# KiCad board Phoenix612 Complete v1.kicad_pcb (continued)
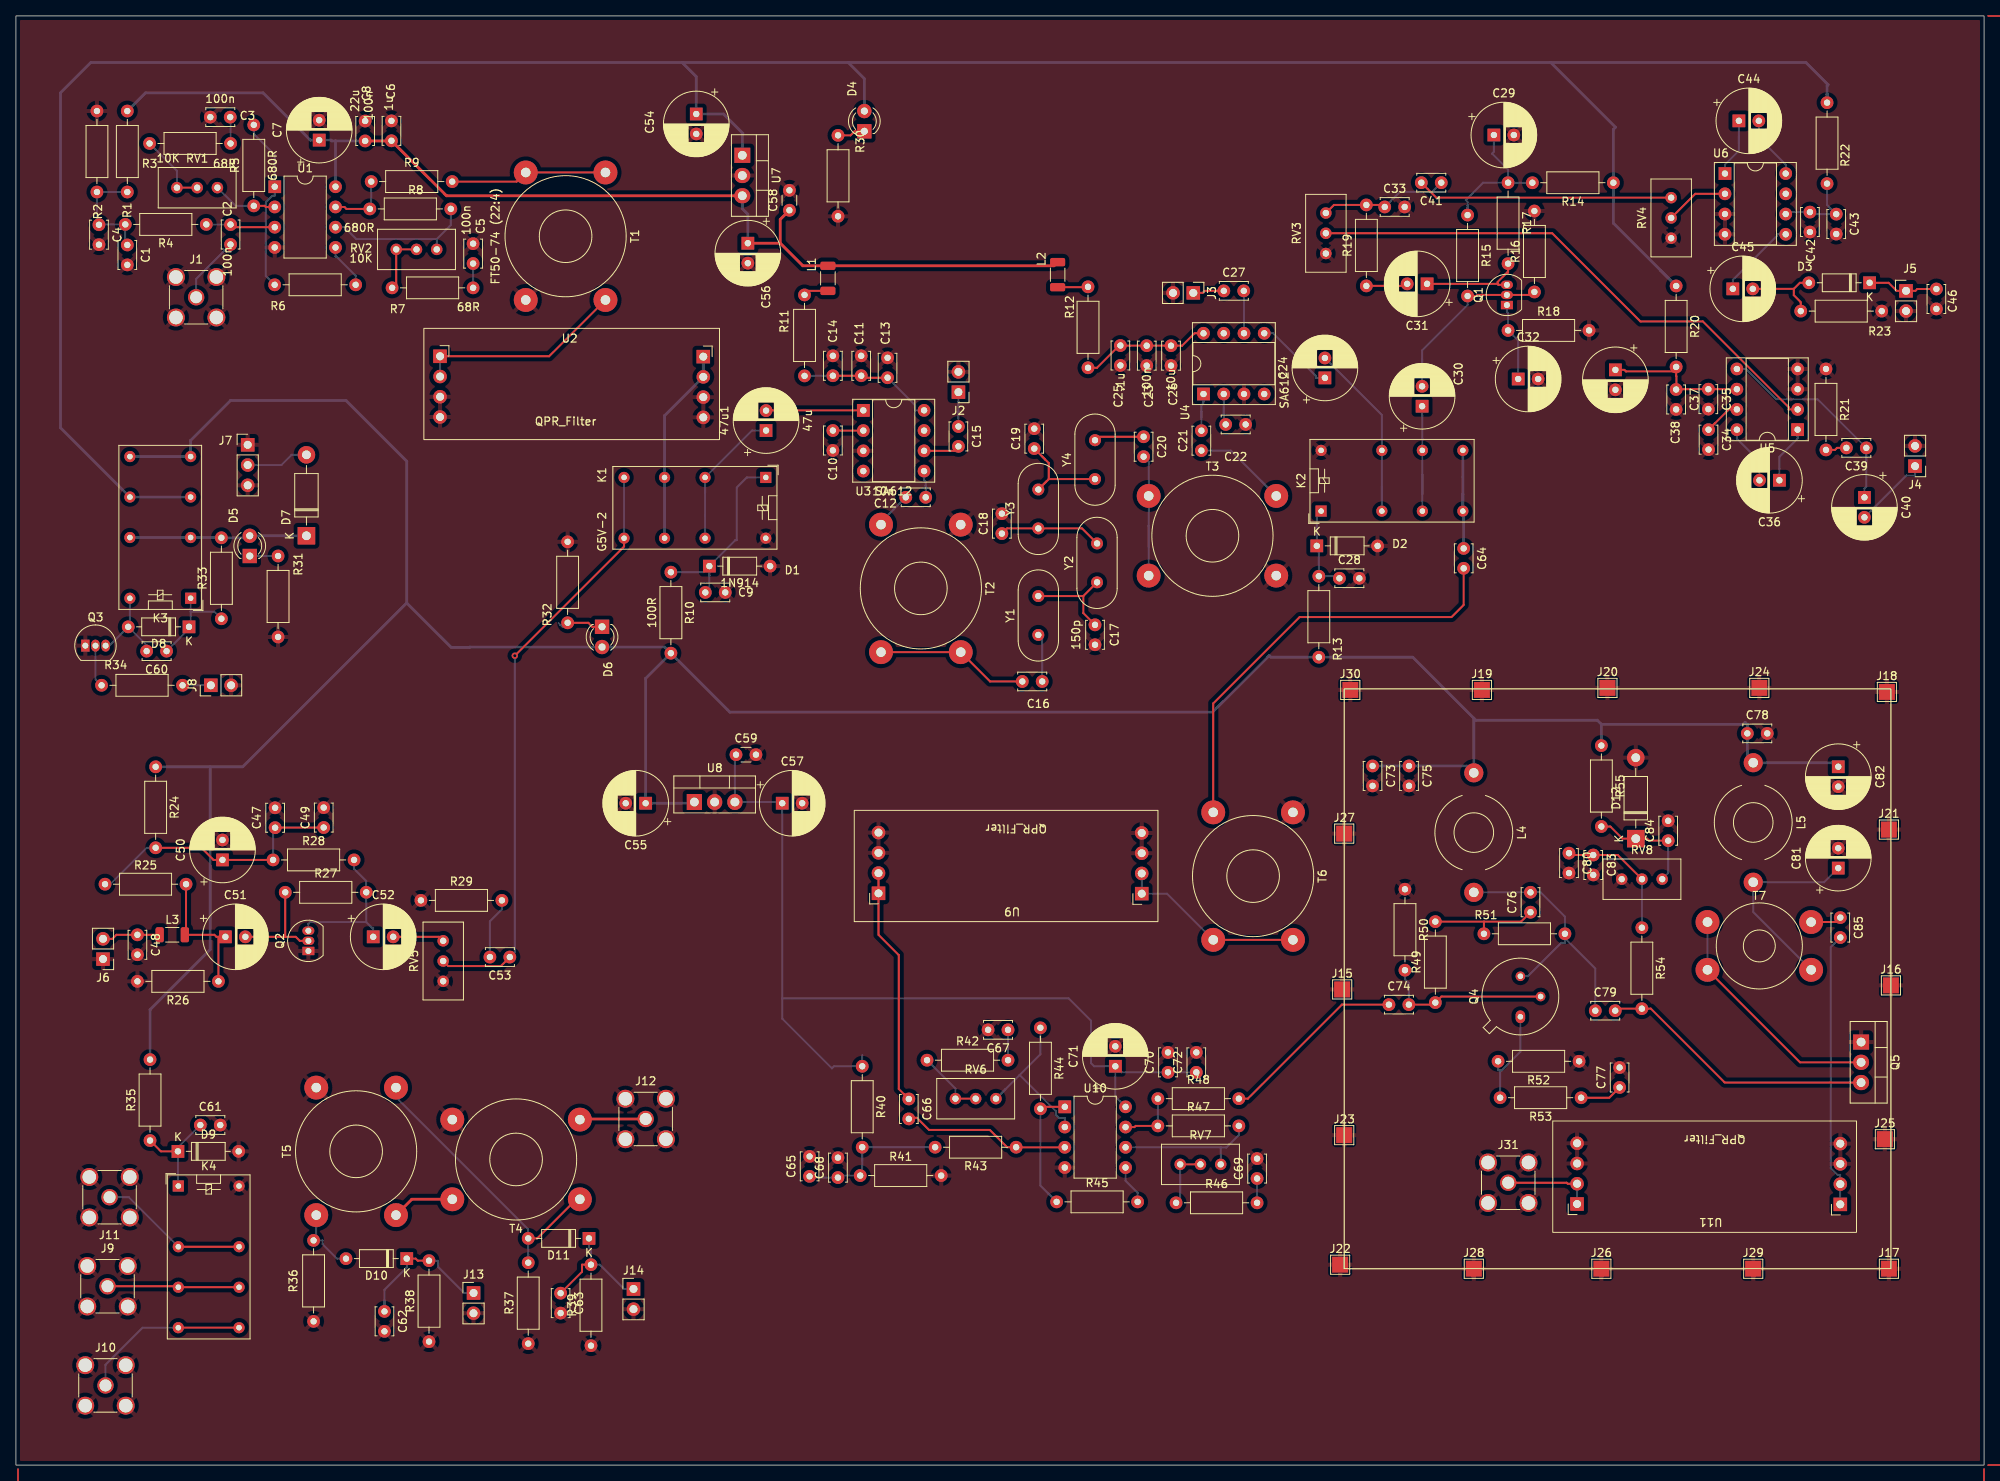
[diagram p0: board, top side]
## Footprints (pads in the part's own frame, mm; a bottom-side part is the same pattern mirrored in y, then rotated)
C_Disc_D3.0mm_W1.6mm_P2.50mm
  round 1.6 hole 0.8: 1(0,0) 2(2.5,0)
C_Disc_D3.4mm_W2.1mm_P2.50mm
  round 1.6 hole 0.8: 1(0,0) 2(2.5,0)
CP_Radial_D8.0mm_P2.50mm
  rect 1.6x1.6 hole 0.8: 1(0,0)
  round 1.6 hole 0.8: 2(2.5,0)
Crystal_HC49-4H_Vertical
  round 1.5 hole 0.8: 1(0,0) 2(4.88,0)
D_DO-35_SOD27_P7.62mm_Horizontal
  rect 1.6x1.6 hole 0.8: 1(0,0)
  oval 1.6x1.6 hole 0.8: 2(7.62,0)
D_DO-41_SOD81_P10.16mm_Horizontal
  rect 2.2x2.2 hole 1.1: 1(0,0)
  oval 2.2x2.2 hole 1.1: 2(10.16,0)
DIP-8_W7.62mm
  rect 1.6x1.6 hole 0.8: 1(0,0)
  oval 1.6x1.6 hole 0.8: 2(0,-2.54) 3(0,-5.08) 4(0,-7.62) 5(7.62,-7.62) 6(7.62,-5.08) 7(7.62,-2.54) 8(7.62,0)
DIP-8_W7.62mm_Socket
  rect 1.6x1.6 hole 0.8: 1(0,0)
  oval 1.6x1.6 hole 0.8: 2(0,-2.54) 3(0,-5.08) 4(0,-7.62) 5(7.62,-7.62) 6(7.62,-5.08) 7(7.62,-2.54) 8(7.62,0)
L_1206_3216Metric
  rrect 1.05x1.9 smd: 1(-1.575,0) 2(1.575,0)
L_Toroid_Horizontal_D9.5mm_P15.00mm_Diameter10-5mm_Amidon-T37
  round 2.4 hole 1.2: 1(0,0) 2(15,0)
LED_D3.0mm
  rect 1.8x1.8 hole 0.9: 1(0,0)
  round 1.8 hole 0.9: 2(2.54,0)
PinHeader_1x02_P2.54mm_Vertical
  rect 1.7x1.7 hole 1: 1(0,0)
  oval 1.7x1.7 hole 1: 2(0,-2.54)
PinHeader_1x03_P2.54mm_Vertical
  rect 1.7x1.7 hole 1: 1(0,0)
  oval 1.7x1.7 hole 1: 2(0,-2.54) 3(0,-5.08)
Potentiometer_Bourns_3296W_Vertical
  round 1.44 hole 0.8: 1(0,0) 2(-2.54,0) 3(-5.08,0)
QRPLabs_Filter_TH
  rect 1.7x1.7 hole 1: 1(-10.16,5.38) 8(22.86,5.334)
  oval 1.7x1.7 hole 1: 2(-10.16,2.84) 3(-10.16,0.3) 4(-10.16,-2.24) 5(22.86,-2.286) 6(22.86,0.254) 7(22.86,2.794)
R_Axial_DIN0207_L6.3mm_D2.5mm_P10.16mm_Horizontal
  round 1.6 hole 0.8: 1(0,0)
  oval 1.6x1.6 hole 0.8: 2(10.16,0)
Relay_DPDT_Omron_G5V-2
  rect 1.4x1.4 hole 0.7: 1(0,0)
  round 1.4 hole 0.7: 4(0,-7.62) 6(0,-12.7) 8(0,-17.78) 9(7.62,-17.78) 11(7.62,-12.7) 13(7.62,-7.62) 16(7.62,0)
SMA_Amphenol_901-144_Vertical
  round 2.05 hole 1.5: 1(0,0)
  round 2.25 hole 1.7: 2(-2.54,2.54) 2(-2.54,-2.54) 2(2.54,2.54) 2(2.54,-2.54)
TestPoint_Pad_2.0x2.0mm
  rect 2x2 smd: 1(0,0)
TO-39-3
  oval 1.6x1.2 hole 0.7: 1(0,0)
  oval 1.2x1.2 hole 0.7: 2(2.54,-2.54) 3(5.08,0)
TO-92_Inline
  rect 1.05x1.5 hole 0.75: 1(0,0)
  oval 1.05x1.5 hole 0.75: 2(1.27,0) 3(2.54,0)
TO-220-3_Vertical
  rect 1.905x2 hole 1.1: 1(0,0)
  oval 1.905x2 hole 1.1: 2(2.54,0) 3(5.08,0)
Transformer_Toroid_Horizontal_D10.5mm_Amidon-T37
  round 3 hole 1.2: 1(0,0) 2(13,0) 3(0,6) 4(13,6)
Transformer_Toroid_Horizontal_D14.0mm_Amidon-T50
  round 3 hole 1.2: 1(0,0) 2(16,0) 3(0,10) 4(16,10)

## Nets
12V: D5.2 D7.1 K3.4 K3.13 R33.2
GND: C1.2 C3.2 C4.2 C5.2 C6.2 C7.2 C8.2 C9.2 C10.2 C11.2 C13.2 C14.2 C17.2 C18.2 C19.2 C22.2 C23.2 C25.2 C26.2 C28.2 C29.2 C32.2 C33.2 C34.2 C35.2 C37.2 C38.2 C42.2 C43.2 C46.2 C47.2 C48.2 C49.2 C50.2 C54.2 C55.2 C56.2 C57.2 C58.2 C59.2 C61.2 C62.2 C63.2 C65.2 C67.2 C68.2 C69.2 C70.2 C71.2 C72.2 C73.2 C75.2 C77.2 C78.2 C80.2 C81.2 C82.2 C83.2 C84.2 D1.2 D2.2 D9.2 D12.2 J1.2 J2.2 J3.2 J4.2 J5.2 J6.1 J7.1 J7.3 J8.2 J9.2 J10.2 J11.2 J12.2 J13.2 J14.2 J15.1 J16.1 J17.1 J18.1 J19.1 J20.1 J21.1 J22.1 J23.1 J24.1 J25.1 J26.1 J27.1 J28.1 J29.1 J30.1 J31.2 K1.16 K2.16 K4.16 Q2.1 Q3.1 Q5.1 R2.2 R16.2 R18.2 R21.1 R23.1 R26.2 R29.1 R30.2 R31.2 R32.2 R36.1 R37.1 R38.1 R39.1 R41.2 R50.1 R52.1 RV3.3 RV4.3 RV5.3 RV8.3 T1.2 T2.3 T3.2 T4.2 T5.4 T6.3 U1.4 U2.3 U2.4 U2.5 U2.6 U3.3 U4.3 U5.3 U5.4 U6.3 U6.4 U7.2 U8.2 U9.3 U9.4 U9.5 U9.6 U10.4 U11.3 U11.4 U11.5 U11.6
ANT_OUT: T4.4 T5.1
IFAFOUT: C30.1 K2.6 K2.11
IFMICIN: C53.1 K1.8 K1.9 RV5.2
IFPAOUT: C64.1 K2.8 K2.9
IFRFIN: K1.6 K1.11 U2.7 U2.8
PA_IN: C74.1 R48.2
PA_OUT: J12.1 T4.1
RX5V: C6.1 C7.1 C8.1 C56.1 C58.1 L1.1 L2.1 R1.1 U1.8 U7.3
RX12V: C54.1 D4.2 K3.6 K3.11 R14.1 R20.1 R22.1 U7.1
SMeterIN: C33.1 C41.1 R19.2 RV3.1
TX5V: C57.1 C59.1 C70.1 C71.1 C72.1 R40.1 U8.3 U10.8
TX12V: C55.1 C73.1 C75.1 C78.1 C82.1 D6.2 K3.8 K3.9 L4.1 L5.1 R10.2 R13.2 R24.1 R35.2 R55.1 U8.1
Net-(47u1-Pad1): 47u1.1 K1.4 K1.13
Net-(47u1-Pad2): 47u1.2 U3.1
Net-(C1-Pad1): C1.1 C4.1 R1.2 R2.1 R4.2
Net-(C2-Pad1): C2.1 J1.1
Net-(C2-Pad2): C2.2 R4.1 U1.3
Net-(C3-Pad1): C3.1 R3.2
Net-(C5-Pad1): C5.1 R7.2
Net-(C9-Pad1): C9.1 D1.1 K1.1 R10.1
Net-(C10-Pad1): C10.1 U3.2
Net-(C11-Pad1): C11.1 C13.1 C14.1 R11.2 U3.8
Net-(C12-Pad1): C12.1 U3.5
Net-(C12-Pad2): C12.2 T2.1
Net-(C15-Pad1): C15.1 J2.1
Net-(C15-Pad2): C15.2 U3.6
Net-(C16-Pad1): C16.1 T2.2 T2.4
Net-(C16-Pad2): C16.2 Y1.1
Net-(C17-Pad1): C17.1 Y1.2 Y2.1
Net-(C18-Pad1): C18.1 Y2.2 Y3.1
Net-(C19-Pad1): C19.1 Y3.2 Y4.1
Net-(C20-Pad1): C20.1 Y4.2
Net-(C20-Pad2): C20.2 T3.1 T3.3
Net-(C21-Pad1): C21.1 T3.4
Net-(C21-Pad2): C21.2 U4.1
Net-(C22-Pad1): C22.1 U4.2
Net-(C23-Pad1): C23.1 C25.1 C26.1 R12.2 U4.8
Net-(C24-Pad1): C24.1 U4.5
Net-(C24-Pad2): C24.2 K2.4 K2.13
Net-(C27-Pad1): C27.1 J3.1
Net-(C27-Pad2): C27.2 U4.6
Net-(C28-Pad1): C28.1 D2.1 K2.1 R13.1
Net-(C29-Pad1): C29.1 R14.2 R15.1 R17.1
Net-(C30-Pad2): C30.2 Q1.2 R15.2 R16.1
Net-(C31-Pad1): C31.1 Q1.3 R17.2
Net-(C31-Pad2): C31.2 R19.1
Net-(C32-Pad1): C32.1 Q1.1 R18.1
Net-(C34-Pad1): C34.1 U5.7
Net-(C35-Pad1): C35.1 C37.1 C38.1 R20.2 U5.6
Net-(C36-Pad1): C36.1 U5.1
Net-(C36-Pad2): C36.2 U5.8
Net-(C39-Pad1): C39.1 C40.1 U5.5
Net-(C39-Pad2): C39.2 R21.2
Net-(C40-Pad2): C40.2 J4.1
Net-(C41-Pad2): C41.2 RV4.1
Net-(C42-Pad1): C42.1 C43.1 R22.2 U6.6
Net-(C44-Pad1): C44.1 U6.1
Net-(C44-Pad2): C44.2 U6.8
Net-(C45-Pad1): C45.1 U6.5
Net-(C45-Pad2): C45.2 D3.2 R23.2
Net-(C46-Pad1): C46.1 D3.1 J5.1
Net-(C47-Pad1): C47.1 C49.1 C50.1 R24.2 R25.1 R28.1
Net-(C48-Pad1): C48.1 J6.2 L3.1
Net-(C51-Pad1): C51.1 L3.2 R25.2 R26.1
Net-(C51-Pad2): C51.2 Q2.2 R27.1
Net-(C52-Pad1): C52.1 Q2.3 R27.2 R28.2
Net-(C52-Pad2): C52.2 RV5.1
Net-(C53-Pad2): C53.2 R29.2
Net-(C60-Pad1): C60.1 D8.1 K3.1 R33.1
Net-(C60-Pad2): C60.2 D8.2 K3.16 Q3.3
Net-(C61-Pad1): C61.1 D9.1 K4.1 R35.1
Net-(C62-Pad1): C62.1 D10.1 J13.1 R38.2
Net-(C63-Pad1): C63.1 D11.1 J14.1 R39.2
Net-(C64-Pad2): C64.2 T6.1
Net-(C65-Pad1): C65.1 C68.1 R40.2 R41.1 R43.2
Net-(C66-Pad1): C66.1 U9.7 U9.8
Net-(C66-Pad2): C66.2 R43.1 U10.3
Net-(C67-Pad1): C67.1 R42.2
Net-(C69-Pad1): C69.1 R46.2
Net-(C74-Pad2): C74.2 Q4.2 R49.1 R50.2
Net-(C76-Pad1): C76.1 R49.2 R51.1
Net-(C76-Pad2): C76.2 C79.1 L4.2 Q4.3 R51.2
Net-(C77-Pad1): C77.1 R53.1
Net-(C79-Pad2): C79.2 Q5.3 R54.2
Net-(C80-Pad1): C80.1 C83.1 R54.1 RV8.2
Net-(C81-Pad1): C81.1 L5.2 T7.2
Net-(C84-Pad1): C84.1 D12.1 R55.2 RV8.1
Net-(C85-Pad1): C85.1 T7.4
Net-(C85-Pad2): C85.2 U11.1 U11.2
Net-(D4-Pad1): D4.1 R30.1
Net-(D5-Pad1): D5.1 R31.1
Net-(D6-Pad1): D6.1 R32.1
Net-(D7-Pad2): D7.2 J7.2
Net-(D10-Pad2): D10.2 R36.2 T5.3
Net-(D11-Pad2): D11.2 R37.2 T4.3 T5.2
Net-(J8-Pad1): J8.1 R34.2
Net-(J9-Pad1): J9.1 K4.6 K4.11
Net-(J10-Pad1): J10.1 K4.8 K4.9
Net-(J11-Pad1): J11.1 K4.4 K4.13
Net-(J31-Pad1): J31.1 U11.7 U11.8
Net-(L1-Pad2): L1.2 R11.1
Net-(L2-Pad2): L2.2 R12.1
Net-(Q3-Pad2): Q3.2 R34.1
Net-(Q4-Pad1): Q4.1 R52.2 R53.2
Net-(Q5-Pad2): Q5.2 T7.1 T7.3
Net-(R3-Pad1): R3.1 RV1.2 RV1.3
Net-(R5-Pad1): R5.1 RV1.1 U1.2
Net-(R5-Pad2): R5.2 R6.1 U1.1
Net-(R6-Pad2): R6.2 U1.5
Net-(R7-Pad1): R7.1 RV2.2 RV2.3
Net-(R8-Pad1): R8.1 R9.1 U1.7
Net-(R8-Pad2): R8.2 RV2.1 U1.6
Net-(R9-Pad2): R9.2 T1.1 T1.3
Net-(R42-Pad1): R42.1 RV6.2 RV6.3
Net-(R44-Pad1): R44.1 RV6.1 U10.2
Net-(R44-Pad2): R44.2 R45.1 U10.1
Net-(R45-Pad2): R45.2 U10.5
Net-(R46-Pad1): R46.1 RV7.2 RV7.3
Net-(R47-Pad1): R47.1 R48.1 U10.7
Net-(R47-Pad2): R47.2 RV7.1 U10.6
Net-(RV3-Pad2): RV3.2 U5.2
Net-(RV4-Pad2): RV4.2 U6.2
Net-(T1-Pad4): T1.4 U2.1 U2.2
Net-(T6-Pad2): T6.2 T6.4 U9.1 U9.2

Pads without a net: U3 4 7; U4 4 7; U6 7

## Via types
v1: diameter 0.8, hole 0.4, Top to Bottom, 1 via

## Routing (per net, layer and track width the routed paths; a pad name or vN(x,y) marks a point on that pad's centre or on a via; arc(x,y) is an arc through that point)
12V: length 22.3
  Bottom w0.35: D7.1 D5.2 29.07,116.37 R33.2 25.74,116.4 K3.4 K3.13
ANT_OUT: length 7.9
  Top w0.35: T5.1 49.66,33.35 T4.4
IFAFOUT: length 16.4
  Bottom w0.25: 176.43,124.3 176.43,124.3 K2.6 ; 176.43,124.3 176.43,126.78 ; 176.43,124.3 176.43,121.83 ; 176.43,127.06 176.43,126.78 ; 176.43,127.06 176.43,127.2 ; 176.43,127.06 176.43,126.78 ; 176.43,127.06 176.43,127.2 ; K2.11 176.43,127.2 ; K2.11 176.43,131.72 176.39,131.76 176.39,132.88 C30.1 ; K2.11 176.43,127.2 ; K2.11 176.43,127.2
IFMICIN: length 75.2
  Top w0.25: v1(62.58,101.57) 76.28,115.28 K1.9 ; RV5.2 54.22,62.63 60.83,62.63 C53.1
  Bottom w0.25: v1(62.58,101.57) 62.58,64.38 C53.1 ; K1.9 K1.8
IFPAOUT: length 14.5
  Bottom w0.35: 181.51,121.86 K2.8 ; 181.51,121.86 K2.9 ; 181.51,121.86 K2.8 ; K2.8 181.61,119.62 C64.1
IFRFIN: length 25.6
  Bottom w0.35: 86.22,137.2 86.22,136.88 ; 86.22,137.2 86.22,136.88 ; 86.22,137.2 86.22,139.1 U2.8 ; 86.22,136.88 86.22,136.72 ; 86.22,136.88 86.22,136.72 ; U2.7 81.36,131.71 K1.6 K1.11 ; U2.7 86.22,136.72 ; U2.7 86.22,136.72 ; U2.7 86.22,136.72
PA_IN: length 23.7
  Top w0.25: C74.1 166.33,57.79 154.53,45.98 R48.2
PA_OUT: length 8.3
  Top w0.35: J12.1 70.82,43.43 T4.1
RX5V: length 140.6
  Top w0.35: 95.88,153.34 98.71,150.51 L1.1 130.22,150.51 130.44,150.74 ; 95.88,153.34 C56.1 ; 95.88,153.34 95.88,156.33 C58.1 ; 130.44,150.74 130.67,150.97 ; 130.44,150.74 130.67,150.97 ; C8.1 47.09,166.18 C6.1 54.01,159.3 U7.3 ; L2.1 130.67,150.97
  Bottom w0.35: 40.09,166.18 39.62,166.18 39.52,166.28 C7.1 36.92,166.28 30.99,172.21 16.26,172.21 R1.1 ; 40.09,166.18 C8.1 ; 40.09,166.18 U1.8 ; C56.1 91.81,156.98 91.12,157.67 U7.3
RX12V: length 351.9
  Bottom w0.35: 192.53,176.02 224.54,176.02 227.33,173.23 227.19,173.09 227.19,172.04 ; 192.53,176.02 104.39,176.02 ; 192.53,176.02 200.66,167.89 200.39,167.62 200.39,161.73 ; 200.39,161.73 200.39,155.85 206.29,149.94 ; 200.39,161.73 200.39,161.73 R14.1 ; 227.19,172.04 227.19,172.04 R22.1 ; 227.19,172.04 227.19,170.98 ; 83.57,176.02 85.34,174.24 C54.1 88.76,169.55 91.19,167.13 91.12,167.07 U7.1 ; 83.57,176.02 9.4,176.02 5.59,172.21 5.59,130.19 K3.11 K3.6 ; 83.57,176.02 104.39,176.02 ; 104.39,176.02 106.43,173.99 D4.2 ; 206.29,149.94 R20.1 206.29,149.94
SMeterIN: length 18.6
  Top w0.25: RV3.1 164.32,157.13 164.73,157.54 165.33,158.15 R19.2 171.45,158.15 C33.1
  Bottom w0.25: C41.1 178.51,160.65 ; C41.1 178.22,160.36 ; C41.1 178.51,160.65 ; 178.51,160.65 178.22,160.36 ; 172.5,158.69 C33.1 172.5,158.69 ; 172.5,158.69 173.6,159.79 177.64,159.79 178.22,160.36
TX5V: length 117.7
  Bottom w0.25: C71.1 135.25,50.05 134.86,50.44 134.86,55.77 132.07,58.57 96.14,58.57 96.13,58.56 ; C71.1 137.91,46.24 U10.8 ; C71.1 138.67,49.29 C70.1 C72.1 ; 96.13,58.56 96.13,56.02 102.36,49.78 102.63,50.05 R40.1 106.16,51.46 ; 96.13,58.56 96.13,83.06 ; C59.1 90.19,89.01 U8.3 95.98,83.21 96.13,83.06 ; 96.13,83.06 C57.1
TX12V: length 385.2
  Bottom w0.35: 198.88,92.96 216.66,92.96 216.92,93.22 217.19,92.94 C78.1 217.19,88.89 L5.1 228.09,88.15 C82.1 ; 198.88,92.96 R55.1 ; 198.88,92.96 198.37,93.47 183.13,93.47 182.88,93.73 ; R10.2 78.99,98.73 C55.1 84.95,83.06 U8.1 ; R10.2 81.39,102.66 56.94,102.66 56.9,102.62 54.61,102.62 49.02,108.2 ; R10.2 89.23,94.82 89.57,94.49 150.11,94.49 157.23,101.6 157.44,101.39 R13.2 175.22,101.39 182.88,93.73 ; K3.9 K3.8 21.91,128.59 26.92,133.6 41.4,133.6 49.02,125.98 49.02,108.2 ; 49.02,108.2 28.45,87.63 24.37,87.63 ; 182.88,93.73 L4.1 182.02,87.74 C75.1 C73.1 ; R35.2 16.82,57.14 24.37,64.68 24.37,87.63 ; R24.1 24.37,87.63
Net-(47u1-Pad1): length 20.1
  Bottom w0.25: 86.45,122.04 86.45,122.99 ; 86.45,122.04 86.45,122.99 ; 86.45,122.04 86.45,119.18 K1.13 ; 86.45,122.99 86.45,123.47 ; 86.45,122.99 86.45,123.47 ; 47u1.1 92.33,129.83 K1.4 ; 86.45,123.47 K1.4 ; 86.44,123.47 K1.4 ; 86.45,123.47 K1.4
Net-(47u1-Pad2): length 12.2
  Top w0.25: 47u1.2 94.1,132.33 94.13,132.36 U3.1
Net-(C1-Pad1): length 14
  Bottom w0.25: C1.1 13.72,153.38 R4.2 10.45,155.7 C4.1 10.16,155.92 R2.1 R1.2
Net-(C2-Pad1): length 8.4
  Bottom w0.25: C2.1 22.61,148.86 J1.1
Net-(C2-Pad2): length 8.7
  Top w0.25: U1.3 27.26,155.35 C2.2
  Bottom w0.25: R4.1 23.9,155.68 C2.2
Net-(C3-Pad1): length 3.3
  Bottom w0.25: R3.2 26.92,169.12 C3.1
Net-(C5-Pad1): length 3
  Bottom w0.25: R7.2 C5.1
Net-(C9-Pad1): length 25.4
  Bottom w0.25: D1.1 86.99,111.62 86.98,111.62 ; 86.98,111.62 86.98,110.02 86.48,109.51 C9.1 ; 86.98,111.62 86.98,112.82 ; 86.98,112.82 86.22,112.05 R10.1 ; 86.98,112.82 90.25,116.08 90.42,116.08 90.42,122.68 91.69,123.94 K1.1
Net-(C10-Pad1): length 3.8
  Top w0.25: U3.2 102.49,129.82 C10.1
Net-(C11-Pad1): length 17.2
  Top w0.25: C13.1 106.29,136.46 C11.1 C14.1
  Bottom w0.25: 109.34,136.46 C13.1 112.79,133 112.79,132.36 U3.8 ; R11.2 100.05,136.69 100.07,136.71 C14.1
Net-(C12-Pad1): length 4.1
  Bottom w0.25: 114.12,122.92 114.12,123.41 113.92,123.62 113.92,123.9 ; 114.12,122.92 C12.1 ; 114.12,122.92 114.12,122.43 ; U3.5 113.92,123.9 113.92,123.9 ; 113.92,124.18 113.92,123.9
Net-(C12-Pad2): length 4.8
  Bottom w0.25: 108.52,118.27 108.52,118.27 T2.1 ; 108.52,118.27 108.52,118.35 110.07,119.9 C12.2 ; 108.52,118.27 108.52,118.18
Net-(C15-Pad1): length 5.1
  Bottom w0.25: 118.23,132.23 118.23,133.48 J2.1 ; 118.23,132.23 118.23,132.23 C15.1 ; 118.23,132.23 118.23,131.42
Net-(C15-Pad2): length 4.7
  Top w0.25: 117.81,127.42 117.67,127.28 U3.6 113.92,127.28 ; 117.81,127.42 C15.2 ; 117.81,127.42 117.95,127.56
Net-(C16-Pad1): length 19.2
  Top w0.25: 126.24,98.34 C16.1 122.2,98.34 118.52,102.02 T2.4 T2.2
Net-(C16-Pad2): length 6.2
  Bottom w0.25: 128.62,103.81 Y1.1 ; 128.62,103.81 128.74,103.69 128.74,101.02 128.74,101.01 C16.2 ; 128.62,103.81 128.5,103.94
Net-(C17-Pad1): length 12.3
  Top w0.25: Y1.2 133.89,109.06 ; 133.89,109.06 Y2.1 ; 133.89,109.06 133.89,106.92 135.36,105.45 C17.1
Net-(C18-Pad1): length 13
  Top w0.25: Y2.2 133.73,117.55 Y3.1 124.33,117.55 123.68,116.9 C18.1
Net-(C19-Pad1): length 13.3
  Top w0.25: 129.23,123.41 128.9,123.09 ; 129.23,123.41 129.56,123.74 ; 129.23,123.41 Y3.2 ; 135.36,123.74 Y4.1 129.56,123.74 ; 129.1,126.21 129.56,125.75 129.56,123.74 ; 129.1,126.21 C19.1 ; 129.1,126.21 128.65,126.66
Net-(C20-Pad1): length 6.4
  Top w0.25: 135.69,128.94 135.8,129.05 C20.1 141.46,129.05 ; 135.69,128.94 135.58,128.84 ; 135.69,128.94 Y4.2
Net-(C20-Pad2): length 19.2
  Bottom w0.25: 142.09,117.88 142.09,115.2 ; 142.09,117.88 142.09,117.88 T3.1 ; 142.09,117.88 142.09,120.56 ; 142.09,121.36 142.09,121.36 T3.3 ; 142.09,121.36 142.09,121.09 ; 142.09,121.36 142.09,121.09 ; 142.09,121.36 142.09,121.63 ; 142.09,121.36 142.09,121.63 ; 142.09,121.09 142.09,120.56 ; 142.09,121.09 142.09,120.56 ; 142.09,121.63 142.09,125.92 141.46,126.55 C20.2
Net-(C21-Pad1): length 14.4
  Bottom w0.25: 156.2,123.52 T3.4 ; 156.2,123.52 158.09,121.63 ; 156.2,123.52 152.41,127.31 C21.1
Net-(C21-Pad2): length 5.8
  Bottom w0.25: 148.97,133.57 U4.1 ; 148.97,133.57 148.97,133.85 ; 148.97,133.57 148.97,133.29 148.71,133.03 148.71,132.22 ; 148.71,132.22 C21.2 ; 148.71,132.22 148.71,131.42
Net-(C22-Pad1): length 4.9
  Bottom w0.25: 151.57,130.78 C22.1 ; 151.57,130.78 151.51,130.84 151.51,131.73 ; 151.57,130.78 151.63,130.72 ; 151.51,131.73 151.51,132.63 ; 151.51,131.73 U4.2
Net-(C23-Pad1): length 16.3
  Top w0.25: U4.8 147.85,142.04 146.29,140.48 C26.1 C23.1 138.57,140.48 C25.1 138.4,140.5 135.61,137.71 R12.2
Net-(C24-Pad1): length 10.1
  Bottom w0.25: C24.1 163.08,136.44 163.08,136.68 157.72,142.04 U4.5
Net-(C24-Pad2): length 25.3
  Bottom w0.25: 171.35,122.74 K2.4 171.35,122.74 ; 171.35,122.74 171.35,127.27 ; 171.35,127.27 K2.13 ; 171.35,127.27 171.35,131.79 C24.2 164.2,138.94
Net-(C27-Pad1): length 3.9
  Top w0.25: C27.1 149.12,147.36 148.87,147.11 J3.1
Net-(C27-Pad2): length 8
  Bottom w0.25: 154.05,144.68 U4.6 154.05,144.68 ; 154.05,144.68 154.05,147.33 154.02,147.36 C27.2
Net-(C28-Pad1): length 11.6
  Bottom w0.25: D2.1 163.19,115.36 ; 163.19,115.36 163.44,115.1 R13.1 165.76,111.55 C28.1 ; 163.19,115.36 163.19,119.18 163.46,119.45 ; 163.46,119.45 K2.1 163.46,119.45
Net-(C29-Pad1): length 19.6
  Bottom w0.25: 185.4,165.79 185.4,165.87 ; 185.4,165.79 185.4,165.87 ; 185.4,165.79 185.4,164.83 185.17,164.59 187.18,162.58 187.18,160.94 ; 185.4,165.87 185.4,166.4 ; 182.1,157.29 182.1,156.88 ; 182.1,157.29 182.1,157.7 ; 182.1,157.29 182.1,157.29 R15.1 ; 182.1,158.11 182.1,157.7 ; 182.1,158.11 182.1,158.52 181.86,158.75 184.05,160.94 R17.1 187.18,160.94 ; 182.1,158.11 182.1,157.7 ; 185.4,166.4 C29.1 185.4,166.4 ; 190.23,160.93 R14.2 187.19,160.93 187.18,160.94
Net-(C30-Pad2): length 23.4
  Top w0.25: R16.1 190.11,146.85 Q1.2 183.36,146.85 183.22,146.72 R15.2
  Bottom w0.25: 182.1,146.43 182.1,146.43 R15.2 ; 182.1,146.43 182.1,146.46 ; 182.1,146.43 182.1,145.59 176.39,139.88 176.39,138.76 ; 176.39,137.63 176.39,138.76 ; 176.39,138.76 176.39,138.76 C30.2
Net-(C31-Pad1): length 13.5
  Top w0.25: 185.87,148.24 185.95,148.15 185.95,148.12 Q1.3 187.03,148.12 ; 185.87,148.24 C31.1 ; 185.87,148.24 185.87,148.48 187.04,149.65 187.18,149.65 187.18,149.94 ; R17.2 187.18,149.94 187.18,149.94 ; 187.18,149.94 187.18,150.22
Net-(C31-Pad2): length 5.2
  Top w0.25: R19.1 174.26,147.99 174.52,148.24 C31.2
Net-(C32-Pad1): length 11.2
  Bottom w0.25: 187.18,142.4 187.18,144.58 187.03,144.73 187.03,145.58 Q1.1 ; 187.18,142.4 187.5,142.08 ; 187.18,142.4 187.5,142.08 ; 187.5,142.08 187.81,141.76 ; 187.5,142.08 R18.1 ; 187.5,142.08 187.81,141.76 ; 187.81,141.76 188.45,141.13 188.45,138.71 C32.1
Net-(C34-Pad1): length 5.9
  Top w0.25: 213.16,130.78 C34.1 213.16,130.78 ; 213.16,130.78 214.75,132.37 214.75,132.48 U5.7
Net-(C35-Pad1): length 18.1
  Top w0.25: C37.1 208.3,135.02 ; 208.26,137.25 208.26,136.69 208.3,136.65 208.3,135.02 ; 208.26,137.25 208.26,137.81 R20.2 ; 208.26,137.25 201.96,137.25 201.77,137.44 C38.1 ; 208.3,135.02 C35.1 U5.6
Net-(C36-Pad1): length 7.6
  Bottom w0.25: C36.1 221.21,125.06 221.22,125.06 221.22,126.53 223.5,128.82 223.5,129.1 ; 223.5,129.1 U5.1 ; 223.5,129.1 223.5,129.38
Net-(C36-Pad2): length 7.8
  Bottom w0.25: 215.88,129.38 215.88,129.1 ; 215.88,129.1 215.88,128.82 218.72,125.98 218.72,124.79 218.71,124.79 C36.2 ; 215.88,129.1 U5.8
Net-(C39-Pad1): length 29.6
  Bottom w0.25: C40.1 231.88,122 231.88,122 ; C39.1 232.12,125.23 ; C39.1 232.12,125.23 ; C39.1 226.02,133.75 220.82,133.75 217.01,137.56 U5.5 ; 232.12,125.23 232.12,122.8 231.88,122.57 231.88,122 ; 231.88,122 231.88,121.44
Net-(C39-Pad2): length 2.7
  Top w0.25: R21.2 228.18,127.4 228.44,127.66 C39.2
Net-(C40-Pad2): length 10
  Bottom w0.25: C40.2 231.88,118.94 237.13,124.19 238.23,124.19 238.23,124.48 ; 238.23,124.48 238.23,124.78 ; 238.23,124.48 238.23,124.48 J4.1
Net-(C41-Pad2): length 32.1
  Top w0.25: C41.2 176.3,160.94 177.1,160.14 178.18,159.05 RV4.1
Net-(C42-Pad1): length 12.2
  Bottom w0.25: 227.19,160.15 227.19,160.15 R22.2 ; 227.19,160.15 227.19,159.48 ; 227.19,160.15 227.19,160.82 ; U6.6 222.25,157.25 C42.1 225.3,156.99 C43.1 227.19,158.14 227.19,158.81 ; 227.19,158.81 227.19,159.48 ; 227.19,158.81 227.19,159.48
Net-(C44-Pad1): length 8.3
  Bottom w0.25: 216.13,165.89 216.13,166.83 ; 216.13,165.89 216.13,165.89 C44.1 ; 216.13,165.89 216.13,164.96 214.39,163.21 U6.1
Net-(C44-Pad2): length 8.5
  Bottom w0.25: 218.63,167.11 218.63,167.11 C44.2 ; 218.63,167.11 218.63,167.64 ; 218.63,167.11 218.63,166.58 222.01,163.21 U6.8
Net-(C45-Pad1): length 10.5
  Bottom w0.25: 215.37,148.46 215.37,148.18 ; 215.37,148.46 C45.1 ; 215.37,148.46 215.37,148.74 220.88,154.25 220.88,154.46 U6.5
Net-(C45-Pad2): length 10.5
  Top w0.25: 223.02,147.61 223.78,148.38 D3.2 ; 223.02,147.61 C45.2 ; 223.02,147.61 223.02,146.82 223.89,145.95 R23.2
Net-(C46-Pad1): length 8.9
  Top w0.25: D3.1 234.91,148.38 235.92,147.37 J5.1 238.27,147.37 238.5,147.59 C46.1
Net-(C47-Pad1): length 33.9
  Top w0.25: R24.2 23.26,77.47 24.78,75.95 C50.1 R28.1 ; C47.1 32.53,80.01 C49.1
  Bottom w0.25: R25.1 11.83,72.9 16.4,77.47 R24.2 ; C47.1 32.26,79.74 R28.1
Net-(C48-Pad1): length 7.3
  Top w0.25: L3.1 C48.1 12.61,66.55 12.1,66.04 J6.2
Net-(C51-Pad1): length 17.1
  Top w0.25: 21.34,66.55 24.9,66.55 25.15,66.29 25.4,66.29 ; 21.34,66.55 R25.2 ; 21.34,66.55 L3.2 ; C51.1 25.4,66.29 ; 25.4,66.29 R26.1
Net-(C51-Pad2): length 13.7
  Top w0.25: 33.78,66.29 R27.1 ; 33.78,66.29 35.1,66.29 35.61,65.79 Q2.2 ; 33.78,66.29 C51.2
Net-(C52-Pad1): length 18.9
  Bottom w0.25: C52.1 44.82,67.42 44.67,67.42 43.94,68.14 ; R28.2 42.42,74.82 43.94,73.3 R27.2 43.94,68.14 ; 43.94,68.14 36.92,68.14 36.68,67.91 Q2.3
Net-(C52-Pad2): length 6.5
  Top w0.25: RV5.1 53.1,66.29 C52.2
Net-(C53-Pad2): length 7.7
  Bottom w0.25: R29.2 60.96,69.74 59.46,68.24 C53.2
Net-(C60-Pad1): length 12.1
  Bottom w0.25: R33.1 24.89,107.09 21.91,107.09 ; 21.91,107.09 21.91,105.4 D8.1 21.71,104.96 C60.1 ; 21.91,107.09 K3.1
Net-(C60-Pad2): length 11.5
  Bottom w0.25: D8.2 16.39,102.89 C60.2 ; D8.2 14.29,105.4 K3.16 ; D8.2 11.73,102.84 Q3.3
Net-(C61-Pad1): length 14.3
  Top w0.25: R35.1 18.18,39.37 D9.1
  Bottom w0.25: C61.1 23.13,42.67 23.36,42.89 ; C61.1 23.36,42.89 ; C61.1 20.32,39.86 D9.1 20.32,35.07 K4.1 ; 23.36,42.89 23.58,43.12 23.93,42.76
Net-(C62-Pad1): length 20.3
  Top w0.25: R38.2 50.4,25.65 50.15,25.91 D10.1
  Bottom w0.25: R38.2 52.94,25.65 52.94,24.88 56.23,21.59 J13.1 ; 49.02,25.35 D10.1 49.02,25.35 ; 49.02,25.35 49.02,24.78 46.23,21.99 46.23,20.64 ; 46.23,20.64 C62.1 46.23,20.64
Net-(C63-Pad1): length 15.8
  Top w0.25: C63.1 71.01,24.26 71.01,25.15 R39.2
  Bottom w0.25: D11.1 71.88,27.32 72.14,27.07 R39.2 73.26,25.15 73.26,25.14 76.29,22.1 J14.1
Net-(C64-Pad2): length 54.8
  Top w0.25: C64.2 181.61,107.95 180.09,106.43 161.04,106.43 150.19,95.58 T6.1
Net-(C65-Pad1): length 21.4
  Bottom w0.25: 106.04,36.46 106.16,36.59 106.16,38.24 ; 106.04,36.46 105.97,36.4 ; 106.04,36.46 105.97,36.4 ; 105.97,36.4 105.94,36.36 ; 105.97,36.4 105.94,36.36 ; C65.1 99.72,36.08 C68.1 ; 103.18,36.14 103.15,36.11 ; 103.18,36.14 103.15,36.11 ; 103.18,36.14 103.24,36.21 ; 103.18,36.14 103.24,36.21 ; 103.15,36.11 C68.1 ; 103.15,36.11 C68.1 ; 103.15,36.11 C68.1 ; 103.24,36.21 103.37,36.33 R41.1 ; 105.94,36.36 R41.1 ; 105.94,36.36 R41.1 ; 105.94,36.36 R41.1 ; 106.16,38.24 R40.2 ; 106.16,38.24 R40.2 ; R40.2 R43.2
Net-(C66-Pad1): length 30.8
  Top w0.25: 111.37,46.57 110.74,47.2 110.74,64.01 108.2,66.55 U9.8 U9.7 ; 111.37,46.57 C66.1 111.37,46.57
Net-(C66-Pad2): length 21.2
  Top w0.25: U10.3 125.48,39.88 R43.1 124.33,39.89 122.16,42.06 114.54,42.06 113.02,43.58 112.14,43.58 C66.2
Net-(C67-Pad1): length 3.8
  Bottom w0.25: R42.2 C67.1
Net-(C69-Pad1): length 3.1
  Bottom w0.25: C69.1 R46.2 155.69,32.89
Net-(C74-Pad2): length 21.5
  Top w0.25: C74.2 177.8,57.79 R49.1 178.82,58.8 Q4.2
  Bottom w0.25: R50.2 174.24,60.98 174.73,60.49 C74.2
Net-(C76-Pad1): length 14
  Top w0.25: R49.2 184.15,68.2 ; 184.15,68.2 188.81,68.2 C76.1 ; 184.15,68.2 R51.1
Net-(C76-Pad2): length 34
  Bottom w0.25: 194.31,66.11 R51.2 194.31,68.83 191.26,71.88 C76.2 189.98,71.88 L4.2 ; 194.31,66.11 194.31,65.55 193.86,65.55 189.65,61.34 Q4.3 ; 194.31,66.11 198.12,62.3 C79.1
Net-(C77-Pad1): length 5.4
  Top w0.25: R53.1 199.88,46.1 C77.1
Net-(C79-Pad2): length 34.8
  Top w0.25: C79.2 200.87,57.28 R54.2 205.09,57.28 214.36,48.01 Q5.3
Net-(C80-Pad1): length 16.6
  Top w0.25: RV8.2 200.94,76.56 C83.1 195.05,76.56 C80.1
  Bottom w0.25: R54.1 203.97,67.45 RV8.2
Net-(C81-Pad1): length 25.4
  Bottom w0.25: C81.1 226.82,73.15 L5.2 217.93,69.41 T7.2
Net-(C84-Pad1): length 14.3
  Top w0.25: C84.1 204.88,78.36 204.63,78.61 D12.1 201.53,78.61 200.01,80.14 R55.2
  Bottom w0.25: RV8.1 207.26,74.29 C84.1
Net-(C85-Pad1): length 3.9
  Top w0.25: C85.1 228.3,68.15 T7.4
Net-(C85-Pad2): length 34.7
  Bottom w0.25: U11.1 U11.2 228.85,36.44 228.49,36.44 227.66,37.26 227.66,65.01 C85.2
Net-(D4-Pad1): length 3.5
  Top w0.25: D4.1 105.2,167.39 104.69,166.88 R30.1
Net-(D5-Pad1): length 3.6
  Bottom w0.25: D5.1 R31.1
Net-(D6-Pad1): length 6.2
  Top w0.25: R32.1 71.8,105.7 72.3,105.2 D6.1
  Bottom w0.25: 68.54,105.2 68.3,105.43 ; 68.3,105.43 68.07,105.66 ; 68.3,105.43 68.93,105.43 R32.1
Net-(D7-Pad2): length 7.9
  Bottom w0.25: D7.2 34.58,126.79 33.3,125.5 29.07,125.5
Net-(D10-Pad2): length 10.1
  Bottom w0.25: 37.67,29.78 T5.3 37.67,29.78 ; 37.67,29.78 37.67,28.19 ; 37.67,28.19 38.46,28.19 38.46,27.72 40.28,25.91 D10.2 ; 37.67,28.19 R36.2
Net-(D11-Pad2): length 39.4
  Top w0.25: D11.2 65.39,28.45 70.29,33.35 T4.3
  Bottom w0.25: 64.26,28.01 D11.2 ; 64.26,28.01 64.26,29.57 47.67,46.16 47.67,46.77 ; 64.26,28.01 64.26,26.44 ; 64.26,26.44 R37.2 64.26,26.44 ; 47.67,46.77 T5.2 47.67,46.77
Net-(J8-Pad1): length 3.6
  Bottom w0.25: R34.2 J8.1
Net-(J9-Pad1): length 16.6
  Top w0.25: K4.11 K4.6 20.25,22.44 J9.1
Net-(J10-Pad1): length 21.3
  Top w0.25: K4.9 K4.8
  Bottom w0.25: K4.8 15.89,17.24 11.23,12.58 J10.1
Net-(J11-Pad1): length 18.8
  Top w0.25: K4.13 K4.4
  Bottom w0.25: K4.4 14.15,33.62 J11.1
Net-(J31-Pad1): length 11.2
  Top w0.25: U11.7 194.66,35.31 194.53,35.43 J31.1
  Bottom w0.25: U11.8 U11.7
Net-(L1-Pad2): length 3.1
  Top w0.25: R11.1 99.43,147.36 L1.2
Net-(L2-Pad2): length 3.8
  Top w0.25: 130.67,147.82 134.43,147.82 R12.1
Net-(Q3-Pad2): length 5.3
  Bottom w0.25: Q3.2 9.98,98.62 R34.1
Net-(Q4-Pad1): length 12.7
  Bottom w0.25: 186.18,49.51 186.37,49.51 188.72,51.87 Q4.1 ; 186.18,49.51 R53.2 ; 186.18,49.51 186.15,49.55 185.93,49.55 R52.2
Net-(Q5-Pad2): length 30.1
  Top w0.25: T7.1 223.8,50.55 Q5.2
  Bottom w0.25: T7.3 T7.1
Net-(R3-Pad1): length 9.5
  Top w0.25: RV1.3 RV1.2
  Bottom w0.25: RV1.3 20.19,162.43 R3.1
Net-(R5-Pad1): length 8.2
  Top w0.25: U1.2 31.34,157.89 31.2,158.03 R5.1
  Bottom w0.25: R5.1 27.56,158.03 RV1.1
Net-(R5-Pad2): length 22.2
  Bottom w0.25: R5.2 29.84,167.06 32.47,164.43 U1.1 32.47,159.3 32.18,159.3 31.34,158.46 31.34,149.24 R6.1
Net-(R6-Pad2): length 5.8
  Bottom w0.25: R6.2 42.62,149.25 40.18,151.68 40.09,151.68 U1.5
Net-(R7-Pad1): length 7.6
  Top w0.25: RV2.2 RV2.3 47.71,148.26 R7.1
Net-(R8-Pad1): length 7.9
  Top w0.25: U1.7 41.21,157.89 41.45,157.65 R8.1
  Bottom w0.25: R9.1 44.57,157.82 R8.1
Net-(R8-Pad2): length 19.1
  Bottom w0.25: U1.6 41.21,155.35 42.7,153.86 52.79,153.86 ; 52.79,153.86 54.55,155.63 R8.2 ; 52.79,153.86 RV2.1
Net-(R9-Pad2): length 19.7
  Top w0.25: T1.3 T1.1 62.81,161.08 R9.2
Net-(R42-Pad1): length 8.8
  Top w0.25: RV6.3 RV6.2
  Bottom w0.25: RV6.3 117.86,47.24 R42.1
Net-(R44-Pad1): length 22.2
  Bottom w0.25: 125.9,48.95 130.45,44.41 130.45,43.97 130.87,43.54 131.57,43.54 U10.2 ; 125.9,48.95 128.51,51.56 R44.1 ; 125.9,48.95 124.12,47.17 ; 124.12,47.17 RV6.1 124.12,47.17
Net-(R44-Pad2): length 17.1
  Top w0.25: R44.2 128.76,44.96 U10.1
  Bottom w0.25: R44.2 128.51,35.06 129.53,34.05 ; 129.53,34.05 R45.1 129.53,34.05
Net-(R45-Pad2): length 4.9
  Bottom w0.25: U10.5 139.19,35.67 140.71,34.16 R45.2
Net-(R46-Pad1): length 7.6
  Top w0.25: RV7.3 RV7.2
  Bottom w0.25: R46.1 146.05,33.43 RV7.3
Net-(R47-Pad1): length 7.5
  Top w0.25: R47.1 140.46,42.57 140.32,42.42 U10.7
  Bottom w0.25: R47.1 R48.1
Net-(R47-Pad2): length 18.2
  Bottom w0.25: 151.15,39.86 151.84,39.86 153.41,41.42 R47.2 ; 151.15,39.86 151.13,39.88 U10.6 ; 151.15,39.86 151.13,39.86 RV7.1 151.13,37.72
Net-(RV3-Pad2): length 68.5
  Top w0.25: RV3.2 192.72,154.59 203.78,143.52 211.61,143.52 222.38,132.76 222.38,132.48 U5.2
Net-(RV4-Pad2): length 8
  Top w0.25: RV4.2 210.66,159.54 U6.2
Net-(T1-Pad4): length 26.2
  Top w0.25: T1.4 66.88,139.15 53.2,139.15
  Bottom w0.25: 53.2,136.61 53.2,139.15
Net-(T6-Pad2): length 23.9
  Top w0.25: T6.4 T6.2
  Bottom w0.25: U9.2 U9.1 144.4,71.71 T6.2

## Copper pours and planes (outline as drawn; the poured copper is in the pictures)
GND on Top, Bottom: 246.89,0 0.25,0 0,181.86 247.14,181.86
